# Altium PCB SVEC.pcbdoc (part 12 of 18)
Units mil, origin at the board's own origin, x right, y up, seen from the top; angles counter-clockwise.
Board outline 6349.25 x 9237.04 mil, 10 copper layers (Top Layer, L2 GND, L3, L4 PWR3.3, L5, L6, L7 GND, L8, L9 PWR, Bottom Layer), stack 58.268 mil thick; 906 components, 904 nets, 4753 pads, 3116 vias.
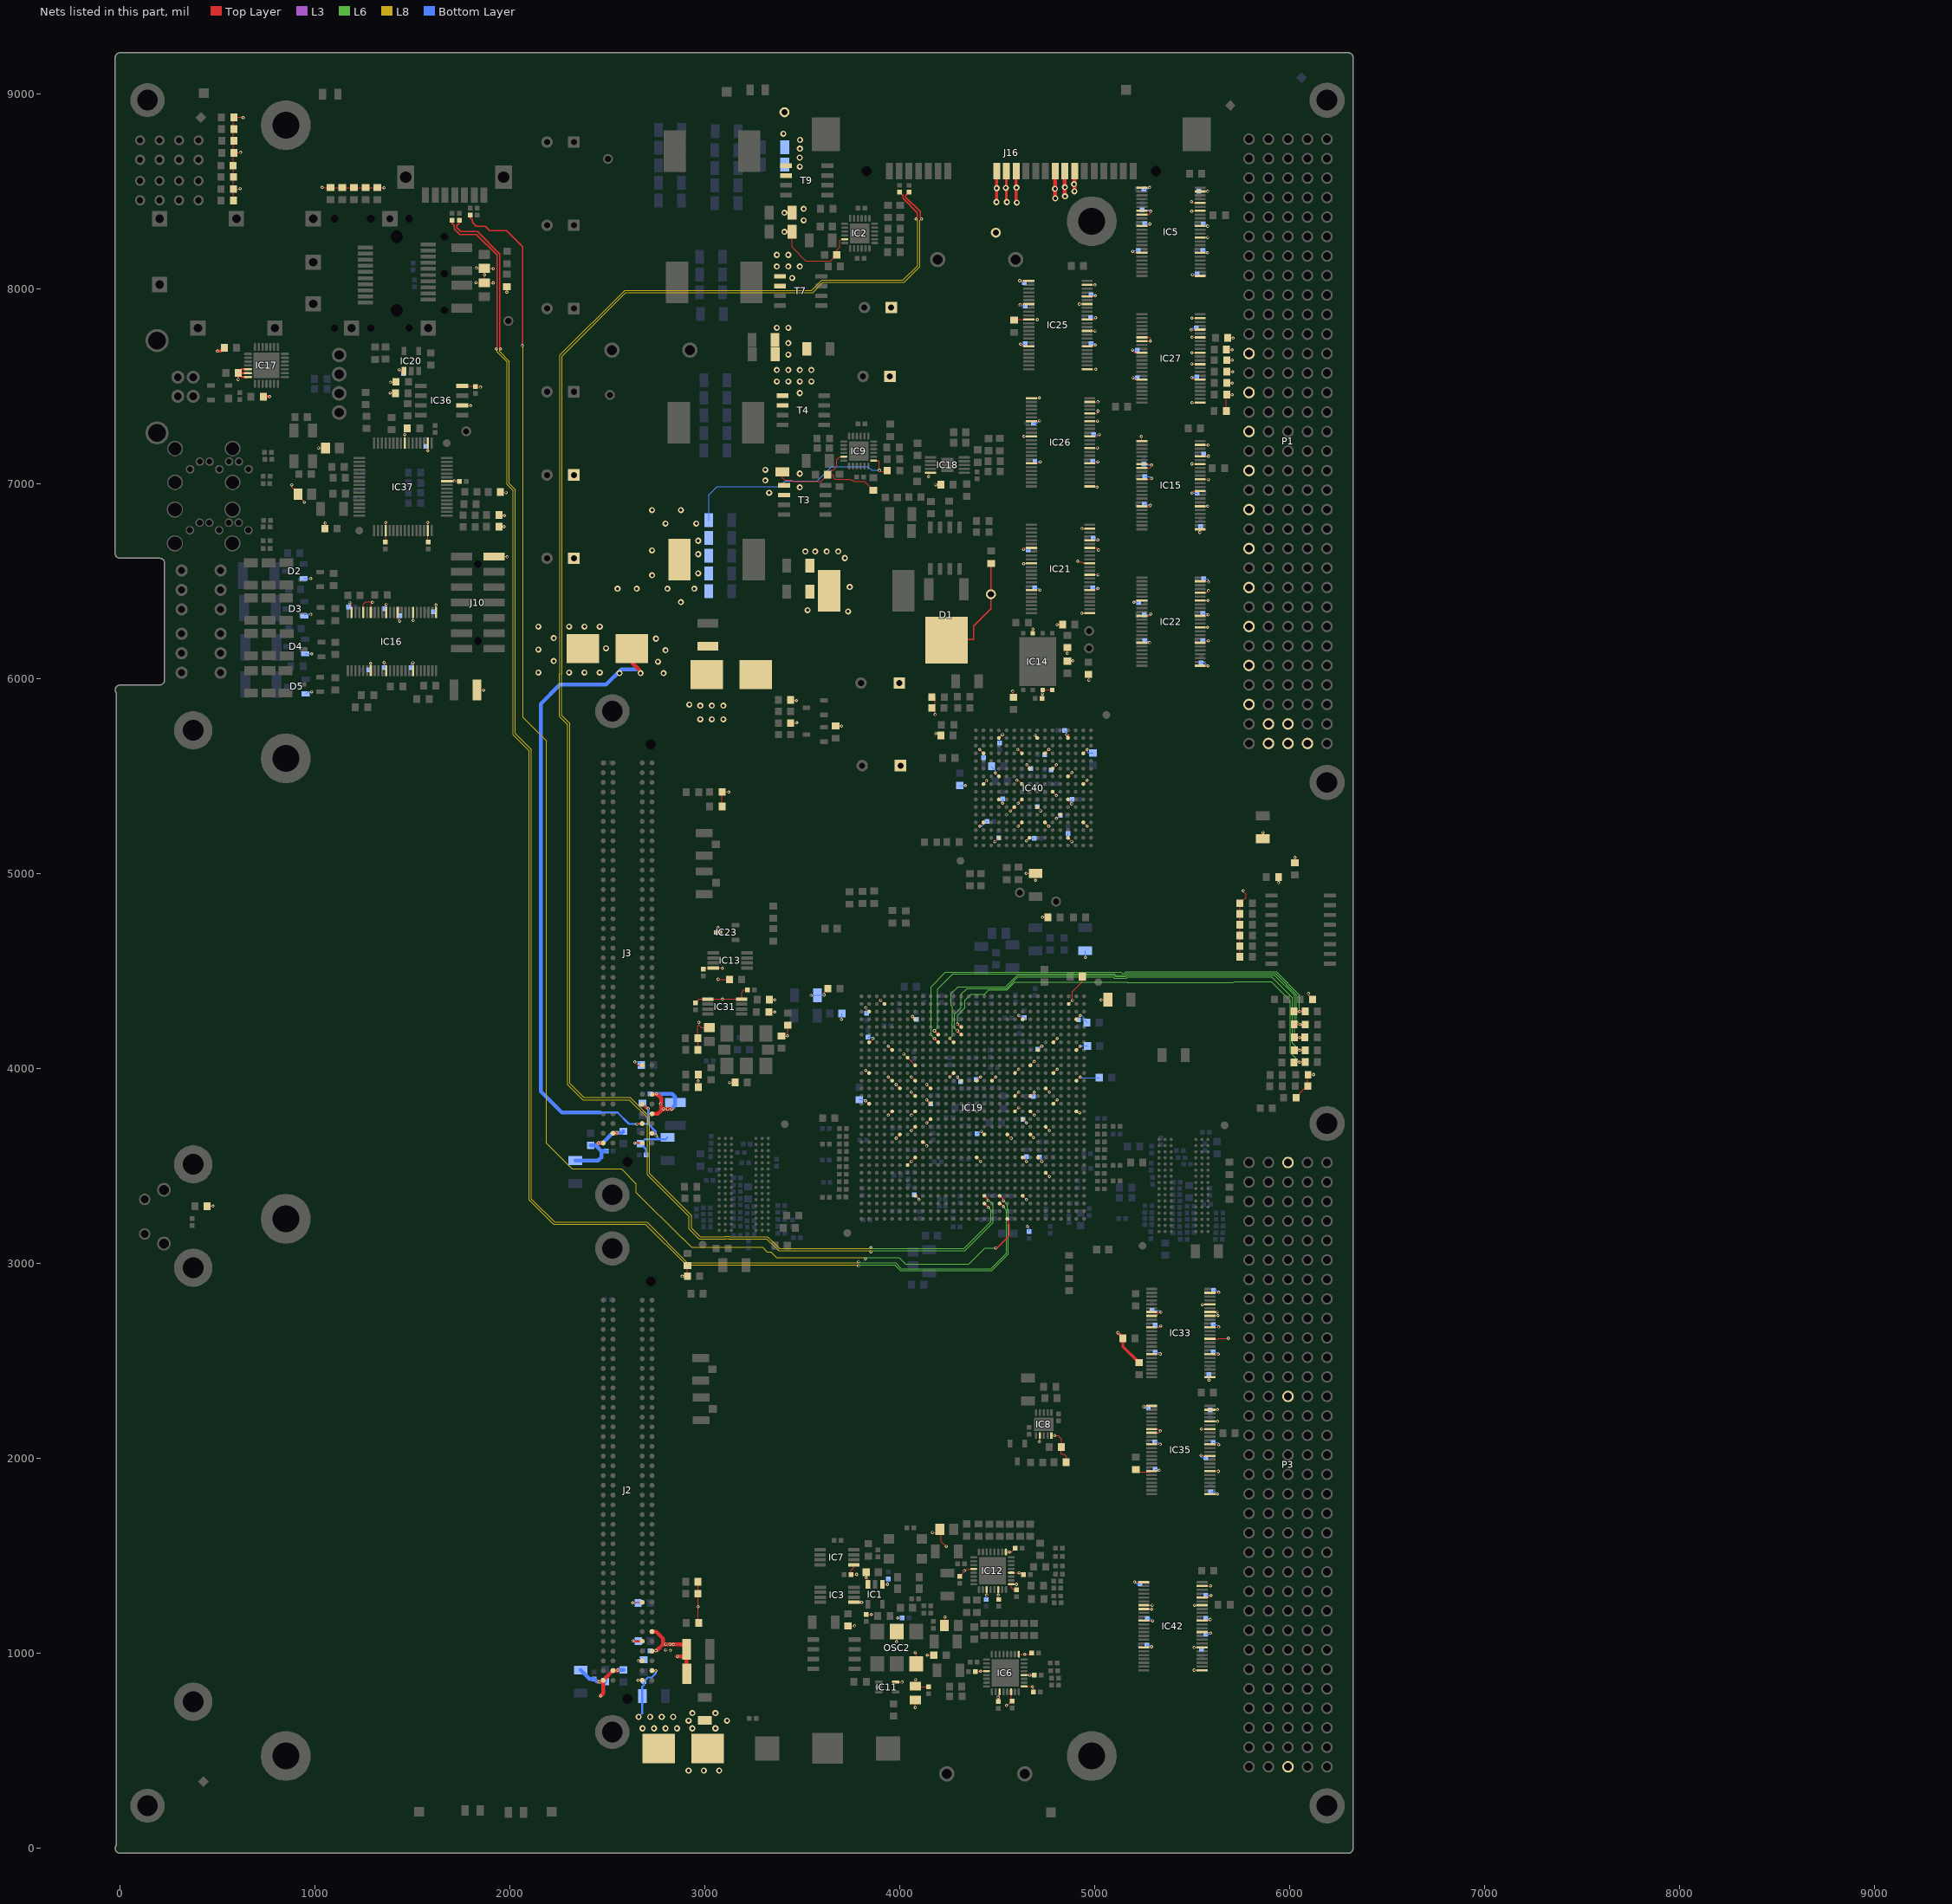
[diagram p20: the nets of this part, all layers, seen from the top]

## Via types
v1: diameter 15.75, hole 7.87, Top Layer to Bottom Layer, tented both sides, 2844 vias
v2: diameter 31.5, hole 15.75, Top Layer to Bottom Layer, tented both sides, 224 vias
v3: diameter 19.68, hole 7.87, Top Layer to Bottom Layer, tented both sides, 31 vias
v4: diameter 15.75, hole 7.87, Top Layer to Bottom Layer, 17 vias

## Nets (pads, with @x,y where several pads share a name; then routed paths per layer and width w, separated by ;. In a path a pad name is that pad's centre, name@x,y a point inside that pad or via, vN(x,y) a via of type N, cw(c..) or ccw(c..) an arc to the next point about the centre after c; other vN are vias at no path point) (continued)
P2V5_FMC: C82.2 C83.2 C84.2 C85.2 C86.2 C87.2 C119.2 C135.2 C136.2 C137.2 C138.2 C176.1 C179.1 C280.2 C291.2 IC9.1 J2.g39 J2.h40 J3.g39 J3.h40 L3.2 R147.2 | length 2061.3
  Top Layer w5: IC9.1@3865.33,7119.29 3888.77,7119.29 3894.55,7113.51 v1(3894.55,7069.51) 3900.55,7063.51 3930.06,7063.51 R147.2@3935.06,7068.51
  Top Layer w20: v1(2453.69,3618.64) 2453.82,3618.51 J3.h40@2478.05,3618.51 ; v1(2456.69,855.64) 2457.69,854.64 2470.44,854.64 J2.h40@2478.05,862.26 ; v1(2464.55,782.64) 2478.05,796.14 J2.h40@2478.05,862.26 ; J3.g39@2528.05,3668.51 2546.55,3668.51 v1(2548.69,3670.64) ; v1(2553.69,914.64) 2551.3,912.26 J2.g39@2528.05,912.26 J2.h40@2478.05,862.26
  Bottom Layer w5: C135.2@3019.47,6812.97 3019.47,6943.42 3061.68,6985.64 3382.77,6985.64 3411.14,7014.01 3575.05,7014.01 3649.55,7088.51 3836.23,7088.51 3855.23,7069.51 v1(3894.55,7069.51)
  Bottom Layer w20: C83.2@2335.04,3528.94 2451.99,3528.94 2468.32,3545.27 2468.32,3578.15 ; C82.2@2362.55,914.56 2407.33,869.79 C291.2@2431.55,869.79 2446.33,855.01 C85.2@2487.55,855.01 ; C84.2@2413.78,3605.71 2440.76,3605.71 ; C280.2@2494.49,3578.15 2468.32,3578.15 ; v1(2553.69,914.64) 2555.05,916 C86.2@2581.55,916 ; C87.2@2581.11,3678.55 2573.2,3670.64 v1(2548.69,3670.64) 2527.69,3670.64 2475.69,3618.64 v1(2453.69,3618.64) 2440.76,3605.71 ; 2440.76,3605.71 2468.32,3578.15
  other v2: 2876.38,6393.11 2551.58,6462.01 2650,6462.01 2807.48,6462.01 2945.28,6462.01 2728.74,6530.91 2964.96,6540.75 2964.96,6639.18 2728.74,6658.86 2964.96,6708.07 2797.64,6796.66 2955.12,6796.66 2728.74,6865.55 2876.38,6865.55
P3V3: B8.1 C8.2 C9.2 C13.1 C14.2 C61.2 C76.2 C125.1 C127.1 C130.2 C131.2 C132.1 C133.2 C143.2 C144.2 C145.2 C153.1 C154.2 C155.2 C156.2 C158.2 C164.1 C166.1 C170.2 C171.2 C172.2 C184.2 C185.1 C186.1 C189.2 C190.2 C191.2 C197.2 C198.2 C199.2 C202.2 C208.2 C216.2 C217.2 C221.2 C222.2 C226.2 C227.2 C232.2 C233.2 C240.1 C244.2 C245.2 C246.2 C247.1 C248.1 C249.1 C250.2 C251.2 C252.2 C253.1 C254.2 C257.2 C264.1 C287.1 C289.2 C290.2 C292.2 C293.2 C294.1 C295.2 C296.1 C297.2 C303.2 C304.2 C306.1 C307.1 C311.2 C312.2 C314.1 C315.2 C317.2 C318.2 C319.1 C320.2 C323.2 C324.1 C326.1 C327.2 C328.1 C329.2 C330.2 C331.1 C332.2 C333.2 C335.2 C336.1 C337.2 C338.1 C339.2 C340.2 C342.2 C343.2 C345.2 C346.2 C352.1 C353.1 C354.1 C359.1 C363.1 C368.1 C377.2 C379.2 C380.2 C431.2 C436.1 C437.2 C447.1 C457.2 C464.1 C465.2 C500.2 C501.1 C506.2 C507.1 C512.2 C513.1 C516.2 C517.1 C519.1 C520.2 C521.1 C522.2 D2.2 D3.2 D4.2 D5.2 F3.1 F4.1 IC5.1 IC5.7 IC5.8 IC5.11 IC5.18 IC5.25 IC5.31 IC5.35 IC5.38 IC5.42 IC5.44 IC5.47 IC8.7 IC8.10 IC11.5 IC13.8 IC14.3 IC14.7 IC14.8 IC15.1 IC15.7 IC15.8 IC15.11 IC15.18 IC15.25 IC15.31 IC15.35 IC15.38 IC15.42 IC15.44 IC15.47 IC16.7 IC16.11 IC16.18 IC16.25 IC16.31 IC16.35 IC16.38 IC16.42 IC16.44 IC16.47 IC17.5 IC17.6 IC17.7 IC19.AA8 IC19.AA23 IC19.AB24 IC19.AC2 IC19.AC7 IC19.AC26 IC19.AD5 IC19.AD29 IC19.AG2 IC19.AG9 IC19.AG23 IC19.AH29 IC19.AJ3 IC19.AJ27 IC19.D9 IC19.D23 IC19.G6 IC19.H24 IC19.J7 IC19.J9 IC19.J15 IC19.J23 IC19.L22 IC19.M8 IC19.M11 IC19.M14 IC19.M25 IC19.N6 IC19.N23 IC19.P9 IC19.P21 IC19.R2 IC19.R8 IC19.R10 IC19.R23 IC19.R26 IC19.T5 IC19.T21 IC19.T29 IC19.U8 IC19.U10 IC19.U23 IC19.V6 IC19.V21 IC19.V25 IC19.W2 IC19.W13 IC19.W15 IC19.W17 IC19.W23 IC19.W26 IC19.Y5 IC19.Y10 IC19.Y18 IC19.Y29 IC20.1 IC21.7 IC21.11 IC21.18 IC21.25 IC21.31 IC21.35 IC21.38 IC21.42 IC21.44 IC21.47 IC22.7 IC22.11 IC22.18 IC22.25 IC22.31 IC22.35 IC22.38 IC22.42 IC22.44 IC22.47 IC23.3 IC25.1 IC25.7 IC25.11 IC25.18 IC25.25 IC25.31 IC25.35 IC25.38 IC25.42 IC25.44 IC25.47 IC26.1 IC26.7 IC26.11 IC26.18 IC26.25 IC26.31 IC26.35 IC26.38 IC26.42 IC26.44 IC26.47 IC27.7 IC27.8 IC27.11 IC27.18 IC27.25 IC27.31 IC27.35 IC27.38 IC27.42 IC27.44 IC27.47 IC31.1 IC31.8 IC33.7 IC33.8 IC33.11 IC33.18 IC33.25 IC33.31 IC33.35 IC33.38 IC33.41 IC33.42 IC33.44 IC33.47 IC35.1 IC35.7 IC35.8 IC35.11 IC35.18 IC35.25 IC35.31 IC35.35 IC35.38 IC35.42 IC35.44 IC35.47 IC36.6 IC36.8 IC37.20 IC37.31 IC37.42 IC37.50 IC37.56 IC40.B4 IC40.B9 IC40.B13 IC40.D2 IC40.D7 IC40.D10 IC40.D15 IC40.E5 IC40.F8 IC40.F11 IC40.G4 IC40.G10 IC40.G13 IC40.H6 IC40.J2 IC40.J10 IC40.J15 IC40.K4 IC40.K13 IC40.L6 IC40.L9 IC40.N2 IC40.N7 IC40.N10 IC40.N15 IC40.R4 IC40.R8 IC40.R13 IC42.1 IC42.7 IC42.8 IC42.11 IC42.18 IC42.25 IC42.31 IC42.35 IC42.38 IC42.42 IC42.44 IC42.47 J2.d32 J3.d32 J10.2 J16.P1 J16.P2 J16.P3 L5.1 L6.2 L7.1 L10.1 L11.1 L21.2 LD5.2 LD8.2 LD9.2 LD10.2 LD12.2 LD18.2 P1.d12 P1.d14 P1.d16 P1.d18 P1.d20 P1.d22 P1.d24 P1.d26 P1.d28 P1.d30 R18.2 R19.2 R20.2 R29.1 R30.1 R34.2 R51.1 R82.1 R83.1 R84.1 R86.1 R89.1 R95.1 R96.1 R97.1 R98.1 R99.1 R100.1 R112.2 R123.1 R124.1 R131.2 R133.2 R134.2 R136.2 R137.2 R144.2 R149.2 R150.2 R151.2 R157.1 R158.1 R159.2 R160.2 R161.2 R175.2 R203.2 R207.2 R213.2 R214.2 R215.2 R216.2 R217.2 R218.2 R219.1 R221.2 R222.2 R223.2 R224.2 R225.1 R226.2 R227.2 R228.2 R229.2 R230.2 R231.2 R233.2 R234.2 R238.2 R241.2 R276.1 R277.2 R286.2 R316.2 R319.2 R320.2 R321.2 R400.2 R401.2 R402.2 R403.2 R404.2 | length 18249.5
  Top Layer w5: R86.1@447.05,3294.51 v1(476.55,3294.51) ; R82.1@581.05,8453.51 R83.1@581.05,8512.51 ; R96.1@584.05,8698.51 615.55,8698.51 v1(617.55,8700.51) ; v1(616.55,8515.51) 613.55,8512.51 R83.1@581.05,8512.51 ; v1(630.55,8879.51) 629.55,8880.51 R100.1@583.05,8880.51 581.05,8878.51 581.05,8698.51 R89.1@581.05,8574.51 R83.1@581.05,8512.51 ; v1(880.55,6995.51) 880.55,6984.77 894.82,6970.51 899.55,6970.51 927.55,6942.51 L7.1@927.55,6935.51 ; L7.1@931.69,6922.64 v1@943.69,6910.64 ; v1(1017.55,7184.51) 1018.55,7183.51 L10.1@1054.12,7183.51 ; v1(1036.55,8520.51) 1037.06,8520 R404.2@1079.03,8520 R403.2@1139.03,8520 R402.2@1199.03,8520 R401.2@1259.03,8520 R400.2@1320.03,8520 1354.06,8520 v1(1354.55,8519.51) ; R234.2@1049.49,6770.51 1049.49,6796.44 v1(1052.55,6799.51) ; v1(1177.55,6391.51) 1187.86,6381.2 IC16.47@1187.86,6341.11 ; IC16.44@1246.92,6341.11 1246.92,6380.87 1261.55,6395.51 1291.55,6395.51 v1(1294.55,6392.51) 1286.29,6384.24 1286.29,6379.24 ; v1(1284.55,6079.51) 1286.29,6077.77 IC16.7@1286.29,6041.9 ; IC16.42@1286.29,6341.11 1286.29,6379.24 ; 1286.55,6379.51 1286.29,6379.24 ; v1(1354.55,6083.51) 1360.82,6083.51 1365.03,6079.3 IC16.11@1365.03,6041.9 ; C363.1@1361.55,6702.22 1362.4,6703.07 IC37.20@1362.4,6760.1 1362.4,6796.66 v1@1361.55,6797.51 ; IC16.38@1365.03,6341.11 1365.55,6341.64 v1(1365.55,6382.51) ; v1(1386.55,7520.51) 1412.49,7520.51 R227.2@1415.49,7523.51 ; v1@1387.55,7466.51 1388.55,7465.51 R226.2@1413.49,7465.51 ; IC16.35@1424.08,6341.11 1424.08,6304.98 v1(1433.55,6295.51) ; v1(1431.55,7586.51) 1438.74,7579.32 IC20.1@1456.15,7579.32 ; IC37.56@1460.83,7208.92 1460.55,7209.19 v1(1460.55,7253.51) 1460.55,7271.57 R231.2@1473.49,7284.51 ; v1(1501.55,6082.51) 1502.82,6081.24 IC16.18@1502.82,6041.9 ; IC16.31@1502.82,6341.11 1502.82,6300.24 v1(1503.55,6299.51) ; v1@1576.55,6798.51 1578.94,6796.12 IC37.31@1578.94,6760.1 1578.94,6702.84 C353.1@1579.55,6702.22 ; v1(1578.55,7170.51) 1578.94,7170.89 IC37.50@1578.94,7208.92 ; v1(1620.55,6378.51) 1620.93,6378.13 IC16.25@1620.93,6341.11 ; IC37.42@1675.4,7014.03 v1(1714.55,7014.03) 1730.63,7014.03 C368.1@1730.84,7013.83 ; C368.1@1734.84,7013.51 C368.1@1743.55,7022.22 ; IC36.6@1755.29,7402.51 1796.55,7402.51 v1(1798.55,7400.51) ; IC36.8@1755.29,7502.51 1818.27,7502.51 C359.1@1822.55,7498.22 1824.27,7496.51 v1(1848.55,7496.51) ; v1(1824.55,8033.51) 1827.12,8030.94 L11.1@1867.55,8030.94 ; v1(1826.55,8107.51) 1827.99,8106.07 L5.1@1868.55,8106.07 ; C13.1@1830.61,5943.51 v1@1861.55,5943.51 ; v1(1913.55,8031.51) 1912.99,8030.94 L11.1@1867.55,8030.94 ; v1(1914.55,8103.51) 1911.99,8106.07 L5.1@1868.55,8106.07 ; J10.2@1918.22,6627.73 1983.33,6627.73 v1(1985.55,6625.51) ; R320.2@1943.05,6780.51 v1(1969.55,6780.51) ; R319.2@1943.05,6840.51 1968.55,6840.51 v1(1971.55,6837.51) ; R218.2@1951.05,6957.51 1975.55,6957.51 v1@1977.55,6955.51 ; v1(1983.74,7983.69) R112.2@1983.74,8012.19 ; v1(2629.55,1260.51) 2631.3,1262.26 J2.d32@2678.05,1262.26 ; v1(2640.55,4034.51) 2656.55,4018.51 J3.d32@2678.05,4018.51 ; v1(2883.55,2934.51) 2884.55,2935.51 R214.2@2910.06,2935.51 2909.55,2936.01 R137.2@2909.55,2989.01 ; C324.1@2950.55,4338.22 2969.22,4356.89 IC31.1@3014.94,4356.89 v1(3089.55,4356.89) IC31.8@3188.17,4356.89 3188.17,4393.12 3198.55,4403.51 C217.2@3217.84,4403.51 ; R29.1@2964.05,1367.51 R30.1@2964.05,1306.51 v1(2964.05,1240.51) 2964.05,1160.51 R233.2@2967.05,1157.51 ; R84.1@2964.05,4096.51 2964.05,4155.51 R51.1@2963.05,4156.51 2963.05,4218 2968.55,4223.51 ; R276.1@2965.05,3905.51 v1(2965.05,3936.51) R277.2@2965.05,3970.51 ; v1(2968.55,4237.51) 2968.55,4223.51 ; C14.2@2990.55,4510.22 2997.45,4517.12 IC13.8@3042.94,4517.12 3086.94,4517.12 v1(3088.55,4515.51) ; L6.2@3028.55,4210.94 L6.2@3022.55,4210.94 2981.12,4210.94 2968.55,4223.51 ; IC23.3@3066.28,4698.51 3066.28,4723.23 v1(3066.55,4723.51) ; v1(3067.55,4458.51) 3068.55,4457.51 R34.2@3126.06,4457.51 ; R207.2@3087.05,5344.51 R215.2@3087.05,5419.51 3119.55,5419.51 3120.55,5420.51 v1(3121.55,5419.51) ; v1(3127.55,3929.51) R20.2@3154.06,3929.51 ; R123.1@3327.05,4290.51 v1(3357.55,4290.51) ; R124.1@3331.05,4354.51 3356.55,4354.51 v1(3358.55,4352.51) ; R18.2@3392.55,4168 3421.05,4168 v1(3421.55,4168.51) 3424.55,4171.51 R19.2@3424.55,4223.01 ; R229.2@3439.37,5773.03 3470.08,5773.03 v1(3471.69,5774.64) ; R221.2@3439.37,5891.14 3463.18,5891.14 v1@3465.69,5888.64 ; v1@3607.55,4377.51 3611.69,4381.64 3611.69,4392.14 R97.1@3630.06,4410.51 ; R241.2@3670.55,5758 3700.33,5758 v1(3700.69,5757.64) ; v1(3823.55,3835.51) 3838.87,3820.19 IC19.T29@3842.06,3820.19 ; v1(3824.55,3991.51) 3838.39,3977.67 IC19.Y29@3842.06,3977.67 ; v1@3825.55,4311.51 3842.06,4295 IC19.AH29@3842.06,4292.63 ; IC19.AD29@3842.06,4135.15 3848.2,4135.15 v1@3860.55,4147.51 ; v1(3901.11,4351.69) IC19.AJ27@3920.8,4332 ; v1(3940.48,3761.14) IC19.R26@3960.17,3780.82 ; v1@3940.55,3957.51 3940.55,3957.92 IC19.W26@3960.17,3938.3 ; v1@3940.55,4116.51 3940.55,4115.54 v1(3940.48,4115.47) IC19.AC26@3960.17,4095.78 ; IC11.5@3977.86,852.59 4010.47,852.59 v1(4010.55,852.51) ; v1(3979.85,3643.03) IC19.M25@3999.54,3662.71 ; v1(3979.85,3918.62) IC19.V25@3999.54,3898.93 ; v1@4019.55,4075.51 4019.55,4075.77 IC19.AB24@4038.91,4056.41 IC19.AA23@4078.28,4017.04 ; IC19.H24@4038.91,3505.23 v1(4058.59,3524.92) ; v1@4058.55,3683.51 v1(4058.59,3682.4) v1(4058.59,3682.4) IC19.N23@4078.28,3702.08 ; v1@4058.55,3957.51 4058.55,3957.95 v1(4058.59,3957.99) IC19.W23@4078.28,3938.3 ; v1(4058.59,3761.14) IC19.R23@4078.28,3780.82 ; v1(4058.59,3879.25) IC19.U23@4078.28,3859.56 ; v1@4060.55,3524.51 4059,3524.51 v1(4058.59,3524.92) ; v1(4064.43,4267.41) 4078.28,4253.56 IC19.AG23@4078.28,4253.26 IC19.AG23@4069.8,4253.26 ; IC19.D23@4078.28,3347.75 4084.31,3347.75 v1@4099.55,3332.51 ; IC19.J23@4078.28,3544.6 v1(4058.59,3524.92) ; v1(4078.55,722.51) L21.2@4078.55,761.57 ; IC19.L22@4117.65,3623.34 4122.72,3623.34 4133.55,3612.51 ; v1(4137.33,3918.62) IC19.V21@4157.02,3898.93 ; v1@4138.55,3837.51 4139.7,3837.51 IC19.T21@4157.02,3820.19 ; 4141.55,3729.51 4145.07,3729.51 IC19.P21@4157.02,3741.45 ; LD12.2@4180.19,5907.64 4180.19,5817.14 v1(4180.69,5816.64) ; v1(4183.55,5719.51) 4185.55,5721.51 R321.2@4210.06,5721.51 ; v1@4252.55,3962.51 v1@4252.55,3963.51 ; v1(4255.44,3957.99) IC19.Y18@4275.13,3977.67 ; v1@4296.55,3961.51 4296.55,3956.25 IC19.W17@4314.5,3938.3 ; IC19.J15@4393.24,3544.6 v1(4412.92,3524.92) 4412.52,3524.51 v1@4411.55,3524.51 ; IC19.W15@4393.24,3938.3 v1(4412.92,3957.99) ; v1(4408.96,5243.65) IC40.D15@4428.65,5263.34 ; v1(4408.96,5637.36) IC40.N15@4428.65,5617.67 ; v1(4416.86,3678.46) IC19.M14@4432.61,3662.71 IC19.M14@4432.61,3658.45 ; IC40.J15@4428.65,5460.19 4443.55,5475.1 v1(4443.55,5476.51) ; IC19.W13@4471.98,3938.3 v1(4491.66,3957.99) ; v1(4487.7,5164.91) IC40.B13@4507.39,5184.6 ; v1@4487.7,5519.25 IC40.K13@4507.39,5499.56 ; IC40.G13@4507.39,5381.45 4507.39,5380.67 v1(4526.55,5361.51) ; IC40.R13@4507.39,5696.41 4508.46,5696.41 v1(4525.55,5713.51) ; IC19.M11@4550.72,3662.71 v1(4570.4,3643.03) ; v1(4566.44,5322.39) IC40.F11@4586.13,5342.08 ; v1(4578.55,5936.51) 4582.55,5932.51 R219.1@4582.55,5906 ; R175.2@4585.55,7840 4589.59,7844.03 IC25.11@4660.95,7844.03 4703.03,7844.03 v1(4704.55,7842.51) ; IC19.R10@4590.09,3780.82 v1(4609.77,3800.51) ; IC19.U10@4590.09,3859.56 v1(4609.77,3879.25) ; IC19.Y10@4590.09,3977.67 v1(4609.77,3997.36) ; v1(4600.55,5478.51) 4604.44,5478.51 4605.81,5479.88 IC40.J10@4625.5,5460.19 ; v1(4603.55,5637.51) 4605.66,5637.51 IC40.N10@4625.5,5617.67 ; v1(4605.81,5243.65) IC40.D10@4625.5,5263.34 ; v1(4605.81,5361.76) IC40.G10@4625.5,5381.45 ; v1(4614.55,8042.51) 4617.55,8039.51 IC25.1@4660.55,8039.51 ; v1@4616.55,4270.51 4616.55,4266.17 IC19.AG9@4629.46,4253.26 ; v1(4616.55,7918.51) 4620.82,7922.77 IC25.7@4660.95,7922.77 ; v1(4618.55,7716.51) 4617.55,7716.51 4627.82,7706.24 IC25.18@4660.95,7706.24 ; IC19.D9@4627.31,3347.75 IC19.D9@4629.46,3347.75 4644.7,3332.51 v1@4650.55,3332.51 ; IC19.J9@4629.46,3544.6 4650.55,3523.51 v1@4654.55,3523.51 ; IC19.P9@4629.46,3741.45 v1(4649.14,3721.77) ; v1(4633.55,6664.51) 4640.82,6671.77 IC21.7@4673.95,6671.77 ; v1(4634.55,6590.51) 4637.08,6593.03 IC21.11@4673.95,6593.03 ; v1(4636.55,7243.51) 4637.03,7243.03 IC26.11@4673.95,7243.03 ; v1(4647.55,5001.51) 4647.61,5001.56 C290.2@4695.55,5001.56 v1(4695.55,4966.51) ; v1(4649.55,5168.51) 4649.55,5169.28 IC40.B9@4664.87,5184.6 ; v1(4651.55,5558.51) 4650.55,5558.51 4664.87,5544.19 IC40.L9@4664.87,5538.93 ; IC19.M8@4668.83,3662.71 4683.03,3648.51 v1@4683.55,3648.51 ; IC19.R8@4668.83,3780.82 v1(4688.51,3761.14) ; IC19.U8@4668.83,3859.56 v1(4688.51,3879.25) ; IC19.AA8@4668.83,4017.04 v1(4688.51,4036.73) ; IC26.18@4673.95,7105.24 4711.29,7105.24 v1(4719.55,7113.51) ; IC26.1@4673.95,7439.88 4714.93,7439.88 4715.55,7440.51 v1(4715.55,7441.51) ; IC21.18@4677.55,6454.51 v1(4718.55,6454.51) ; IC14.3@4681.55,6234.18 v1(4681.55,6254.51) ; IC26.7@4682.55,7321.51 4685.55,7324.51 v1(4716.55,7324.51) ; v1(4692.55,5711.51) 4704.24,5699.82 IC40.R8@4704.24,5696.41 ; IC40.F8@4704.24,5342.08 4721.55,5324.77 v1(4721.55,5322.51) ; IC19.J7@4708.2,3544.6 v1(4727.88,3524.92) ; IC19.AC7@4708.2,4095.78 v1(4727.88,4115.47) ; v1(4716.55,2086.51) 4717.87,2087.82 IC8.7@4717.87,2117.45 ; C166.1@4729.27,5900.51 4731.55,5902.79 v1(4731.55,5922.51) IC14.7@4731.55,5942.84 IC14.8@4781.55,5942.84 ; v1(4731.55,4776.51) R131.2@4759.06,4776.51 ; IC40.D7@4743.61,5263.34 v1(4763.3,5243.65) ; IC40.N7@4743.61,5617.67 v1(4763.3,5637.36) ; IC19.G6@4747.57,3465.86 v1(4767.25,3446.18) ; IC19.N6@4747.57,3702.08 v1(4767.25,3682.4) ; IC19.V6@4747.57,3898.93 4747.57,3898.49 4760.55,3885.51 ; IC8.10@4776.92,2117.45 v1(4792.55,2117.45) 4811.61,2117.45 4828.05,2101.01 R150.2@4828.05,2058.51 4826.55,2057.01 4826.55,2023.51 4827.55,2022.51 4827.55,2021.51 4841.55,2021.51 4853.05,2010.01 R134.2@4853.05,1981.51 ; IC40.H6@4782.98,5420.82 v1(4802.67,5401.14) ; IC40.L6@4782.98,5538.93 v1(4802.67,5558.62) ; IC19.T5@4786.94,3820.19 4806.55,3839.81 v1@4806.55,3839.51 ; IC19.Y5@4786.94,3977.67 v1(4806.62,3997.36) ; IC19.AD5@4786.94,4135.15 v1(4806.62,4154.84) ; v1(4802.66,5283.02) IC40.E5@4822.35,5302.71 ; v1@4807.55,6275.51 4810.55,6278.51 R286.2@4834.06,6278.51 ; C303.2@4858.55,6091 4886.05,6091 v1(4887.55,6092.51) ; v1(4858.55,6130.51) R238.2@4858.55,6160.01 ; IC40.B4@4861.72,5184.6 v1(4881.41,5164.91) ; IC40.G4@4861.72,5381.45 4861.72,5377.34 v1(4880.55,5358.51) ; IC40.K4@4861.72,5499.56 v1(4881.41,5519.25) ; IC19.AJ3@4865.68,4332 v1(4885.37,4351.69) 4885.37,4395.32 4936.05,4446 C133.2@4936.05,4472.51 ; IC19.R2@4905.05,3780.82 4908.23,3777.64 4915.13,3777.64 v1@4921.08,3771.68 ; IC19.W2@4905.05,3938.3 v1(4924.74,3957.99) ; IC19.AC2@4905.05,4095.78 v1(4924.74,4115.47) ; IC19.AG2@4905.05,4253.26 v1@4928.08,4276.29 ; v1(4910.55,6603.51) 4915.18,6598.88 4935.18,6598.88 4941.03,6593.03 IC21.38@4973.16,6593.03 ; v1(4920.55,7922.51) 4920.82,7922.77 IC25.42@4960.16,7922.77 ; v1(4932.55,6337.51) 4932.18,6337.13 IC21.25@4973.16,6337.13 ; v1(4932.55,6769.51) 4933.25,6770.2 IC21.47@4973.16,6770.2 ; IC40.D2@4940.46,5263.34 v1(4960.15,5243.65) ; IC40.J2@4940.46,5460.19 v1(4960.15,5479.88) ; IC40.N2@4940.46,5617.67 v1(4960.15,5637.36) ; IC25.44@4956.55,7960.51 4997.55,7960.51 v1(5002.55,7965.51) ; IC25.25@4960.16,7588.13 5003.18,7588.13 v1(5003.55,7588.51) ; IC25.31@4960.16,7706.24 4996.29,7706.24 v1(5002.55,7712.51) ; IC25.35@4960.16,7784.98 5000.08,7784.98 v1(5000.55,7784.51) ; IC25.38@4960.16,7844.03 4995.08,7844.03 v1(5003.55,7852.51) ; IC25.47@4960.16,8021.2 4998.86,8021.2 v1(4999.55,8020.51) ; v1(4969.55,5993.51) R222.2@4969.55,6020.01 ; IC21.35@4973.16,6533.98 5016.08,6533.98 v1(5016.55,6533.51) ; IC21.42@4973.16,6671.77 5007.29,6671.77 v1(5018.55,6660.51) ; IC26.25@4973.16,6987.13 5012.93,6987.13 5014.55,6985.51 5012.55,6983.51 v1(5010.55,6983.51) ; IC26.35@4973.16,7183.98 5012.03,7183.98 v1(5012.55,7184.51) ; IC26.38@4973.16,7243.03 5010.08,7243.03 5020.55,7253.51 v1(5021.55,7253.51) ; IC26.42@4973.16,7321.77 v1@5013.82,7321.77 ; IC26.44@4973.16,7361.14 5012.19,7361.14 5015.55,7364.51 5015.31,7364.75 v1(5015.31,7373.75) ; IC26.47@4973.16,7420.2 5014.25,7420.2 v1(5014.55,7420.51) ; IC21.31@4975.55,6457.51 5013.55,6457.51 5015.55,6459.51 v1(5015.55,6463.51) ; IC21.44@4984.55,6711.51 5013.55,6711.51 v1(5014.55,6712.51) ; IC26.31@4984.55,7105.51 5009.55,7105.51 5015.55,7111.51 v1(5015.55,7113.51) ; v1(5013.55,7322.51) 5013.55,7322.04 v1@5013.82,7321.77 ; v1@5014.55,7322.51 v1@5013.82,7321.77 ; v1(5031.69,4352.64) 5032.55,4353.51 C379.2@5066.5,4353.51 ; v1(5193.55,7686.51) 5193.55,7683.51 5204.03,7673.03 IC27.11@5240.95,7673.03 ; v1(5193.55,8193.51) 5201.82,8185.24 IC5.18@5240.95,8185.24 ; v1(5194.55,7544.51) 5203.82,7535.24 IC27.18@5240.95,7535.24 ; v1(5203.55,1366.51) 5250.33,1366.51 IC42.1@5250.95,1365.88 ; v1@5203.69,6397.64 5207.82,6401.77 IC22.7@5240.95,6401.77 ; R157.1@5210.55,1944.01 5223.92,1930.64 5255.69,1930.64 5256.69,1931.64 5287.35,1931.64 IC35.18@5290.95,1935.24 5325.29,1935.24 v1(5329.55,1939.51) ; v1(5238.55,7243.51) 5240.95,7241.11 IC15.1@5240.95,7219.88 ; IC22.18@5240.95,6185.24 5280.29,6185.24 v1(5280.55,6185.51) ; IC22.11@5240.95,6323.03 5283.08,6323.03 5286.55,6326.51 v1(5286.55,6333.51) ; IC15.11@5240.95,7023.03 5285.08,7023.03 v1(5290.55,7028.51) ; IC15.8@5240.95,7082.09 5283.14,7082.09 5295.55,7094.51 v1@5295.55,7095.51 ; IC15.7@5240.95,7101.77 5286.29,7101.77 v1(5291.55,7096.51) ; IC27.8@5240.95,7732.09 5284.14,7732.09 v1(5284.55,7732.51) ; IC27.7@5240.95,7751.77 5278.29,7751.77 5285.55,7744.51 v1@5285.55,7733.51 ; IC5.11@5240.95,8323.03 5272.08,8323.03 v1(5282.55,8333.51) ; IC5.8@5240.95,8382.09 5278.14,8382.09 5286.55,8390.51 v1(5286.55,8398.51) 5283.29,8401.77 IC5.7@5240.95,8401.77 ; IC5.1@5240.95,8519.88 5241.57,8520.51 v1(5279.55,8520.51) ; v1(5250.55,2265.51) 5253.55,2265.51 5257.93,2269.88 IC35.1@5290.95,2269.88 ; IC15.18@5250.55,6885.51 5253.55,6882.51 5284.55,6882.51 v1(5284.55,6889.51) ; IC42.18@5250.95,1031.24 5288.29,1031.24 v1(5291.55,1034.51) ; IC42.11@5250.95,1169.03 5252.48,1167.51 v1(5295.55,1167.51) ; IC42.8@5250.95,1228.09 5289.97,1228.09 v1(5291.55,1226.51) ; IC42.7@5250.95,1247.77 5293.99,1247.77 v1(5294.26,1247.51) ; IC35.11@5290.95,2073.03 5291.47,2072.51 v1(5334.55,2072.51) ; IC35.8@5290.95,2132.09 5326.14,2132.09 v1(5335.55,2141.51) 5325.29,2151.77 IC35.7@5290.95,2151.77 ; IC33.18@5290.95,2535.24 5333.29,2535.24 v1(5334.55,2536.51) ; IC33.11@5290.95,2673.03 5330.08,2673.03 v1(5337.55,2680.51) ; IC33.8@5290.95,2732.09 5313.14,2732.09 5324.69,2743.64 5324.69,2750.51 ; IC33.7@5290.95,2751.77 5292.22,2750.51 5324.69,2750.51 ; v1@5335.81,2750.51 5324.69,2750.51 ; v1@5337.23,2750.51 v1(5338.55,2750.51) ; v1(5493.55,7789.51) 5495.19,7791.14 IC27.44@5540.16,7791.14 ; v1(5494.55,8448.51) 5501.92,8441.14 IC5.44@5540.16,8441.14 ; v1(5496.55,8399.51) 5498.82,8401.77 IC5.42@5540.16,8401.77 ; v1(5496.85,7545.51) 5507.12,7535.24 IC27.31@5540.16,7535.24 ; v1(5496.85,7614.51) 5497.38,7613.98 IC27.35@5540.16,7613.98 ; v1(5497.55,7672.51) 5498.08,7673.03 IC27.38@5540.16,7673.03 ; v1(5497.55,7850.51) 5497.86,7850.2 IC27.47@5540.16,7850.2 ; v1(5497.69,7102.64) 5503.42,7102.64 5504.29,7101.77 IC15.42@5540.16,7101.77 ; v1(5498.55,6952.51) 5498.55,6953.51 5509.03,6963.98 IC15.35@5540.16,6963.98 ; v1(5498.55,7417.51) 5498.93,7417.13 IC27.25@5540.16,7417.13 ; v1(5498.55,7752.51) 5499.29,7751.77 IC27.42@5540.16,7751.77 ; v1(5500.55,8073.51) 5500.55,8074.51 5507.93,8067.13 IC5.25@5540.16,8067.13 ; v1(5509.55,1030.51) 5549.43,1030.51 IC42.31@5550.16,1031.24 ; v1(5509.69,914.64) 5509.82,914.51 5548.78,914.51 IC42.25@5550.16,913.13 ; v1(5510.55,1247.51) 5510.82,1247.77 IC42.42@5550.16,1247.77 ; v1(5538.55,6751.51) 5541.55,6751.51 5539.55,6753.51 IC15.25@5539.55,6767.51 ; IC22.25@5540.16,6067.13 5578.93,6067.13 v1(5579.55,6066.51) ; IC22.31@5540.16,6185.24 5566.29,6185.24 5576.55,6195.51 v1(5582.55,6195.51) ; IC22.35@5540.16,6263.98 5577.08,6263.98 v1(5577.55,6263.51) ; IC22.38@5540.16,6323.03 5571.08,6323.03 5576.55,6328.51 v1(5580.55,6328.51) ; IC22.42@5540.16,6401.77 5579.29,6401.77 v1(5579.55,6401.51) ; IC22.44@5540.16,6441.14 5572.05,6441.14 v1(5583.07,6452.17) ; IC22.47@5540.16,6500.2 5577.86,6500.2 v1(5581.55,6496.51) ; IC15.31@5540.16,6885.24 5578.29,6885.24 v1(5578.55,6885.51) ; IC15.38@5540.16,7023.03 5581.03,7023.03 v1(5581.55,7022.51) ; IC15.44@5540.16,7141.14 5577.19,7141.14 v1@5578.55,7142.51 ; IC15.47@5540.16,7200.2 5579.86,7200.2 v1(5580.55,7199.51) ; IC5.31@5540.16,8185.24 5540.43,8185.51 v1(5578.55,8185.51) ; IC5.35@5540.16,8263.98 5578.03,8263.98 v1(5578.55,8264.51) ; IC5.38@5540.16,8323.03 5540.69,8322.51 v1(5578.55,8322.51) ; IC5.47@5540.16,8500.2 5540.47,8500.51 v1(5578.55,8500.51) ; v1(5544.55,2016.51) 5587.63,2016.51 IC35.35@5590.16,2013.98 ; v1(5547.55,2151.51) 5547.82,2151.77 IC35.42@5590.16,2151.77 ; IC42.35@5550.16,1109.98 5587.08,1109.98 v1(5592.55,1104.51) ; IC42.38@5550.16,1169.03 5586.08,1169.03 v1(5591.55,1174.51) ; IC42.44@5550.16,1287.14 5585.19,1287.14 v1(5595.55,1297.51) ; IC42.47@5550.16,1346.2 5592.25,1346.2 v1(5592.55,1346.51) ; v1@5553.55,2789.51 5555.19,2791.14 IC33.44@5590.16,2791.14 ; v1(5585.55,2402.51) IC33.25@5585.55,2415.51 ; IC35.25@5590.16,1817.13 5628.17,1817.13 v1(5628.55,1817.51) ; IC35.31@5590.16,1935.24 5631.82,1935.24 v1(5632.55,1934.51) ; IC35.38@5590.16,2073.03 5591.69,2071.51 v1(5634.55,2071.51) ; IC35.44@5590.16,2191.14 5627.92,2191.14 v1(5628.55,2190.51) ; IC35.47@5590.16,2250.2 5629.25,2250.2 5629.55,2250.51 v1(5628.55,2250.51) ; IC33.35@5590.16,2613.98 5636.03,2613.98 5636.55,2614.51 5636.55,2616.51 v1(5684.55,2616.51) ; IC33.41@5590.16,2732.09 5627.14,2732.09 5628.55,2733.51 v1(5630.55,2733.51) ; IC33.42@5590.16,2751.77 5627.29,2751.77 v1(5627.55,2751.51) ; IC33.31@5599.55,2532.51 5629.55,2532.51 v1(5632.55,2535.51) ; IC33.47@5600.55,2846.51 5606.55,2852.51 v1(5635.55,2852.51) ; IC33.38@5601.55,2673.51 5633.55,2673.51 v1(5634.55,2674.51) ; R158.1@5674.05,7374.51 5674.05,7455.51 R230.2@5676.05,7457.51 v1(5703.55,7457.51) ; R216.2@5675.05,7688.51 v1(5704.55,7688.51) ; R213.2@5675.05,7747.51 v1(5708.55,7747.51) ; R228.2@5676.05,7517.51 v1(5704.55,7517.51) ; R223.2@5676.05,7575.51 5705.55,7575.51 v1(5706.55,7574.51) ; R217.2@5676.05,7634.51 v1(5703.55,7634.51) ; R161.2@5744.06,4573.51 R160.2@5744.06,4628.51 R159.2@5744.06,4683.51 R151.2@5744.06,4738.51 R149.2@5744.06,4793.51 R144.2@5744.06,4848.51 ; R144.2@5744.06,4864.01 5760.39,4864.01 5774.55,4878.18 5774.55,4894.51 5760.55,4908.51 v1(5760.55,4912.51) ; C289.2@5861.55,5179.45 5861.55,5210.51 v1(5862.55,5211.51) ; v1(5941.55,4954.51) 5942.05,4955 R133.2@5942.05,4983.51 ; v1(6025.55,5083.51) 6025.99,5083.07 R136.2@6025.99,5056.5 ; LD8.2@6031.18,3851.64 6053.69,3874.14 6053.69,3877.64 6087.69,3911.64 LD5.2@6091.18,3911.64 6091.18,3967.64 6090.18,3968.64 LD10.2@6093.18,3968.64 6120.69,3968.64 v1(6121.69,3969.64) ; v1(6094.69,4385.64) 6096.18,4384.14 6096.18,4375.64 LD9.2@6116.18,4355.64 ; L11.1@1867.55,8030.94 1868.55,8031.94 v1(1868.55,8072.51) L5.1@1868.55,8106.07